# KiCad board Leonhart.kicad_pcb (continued)
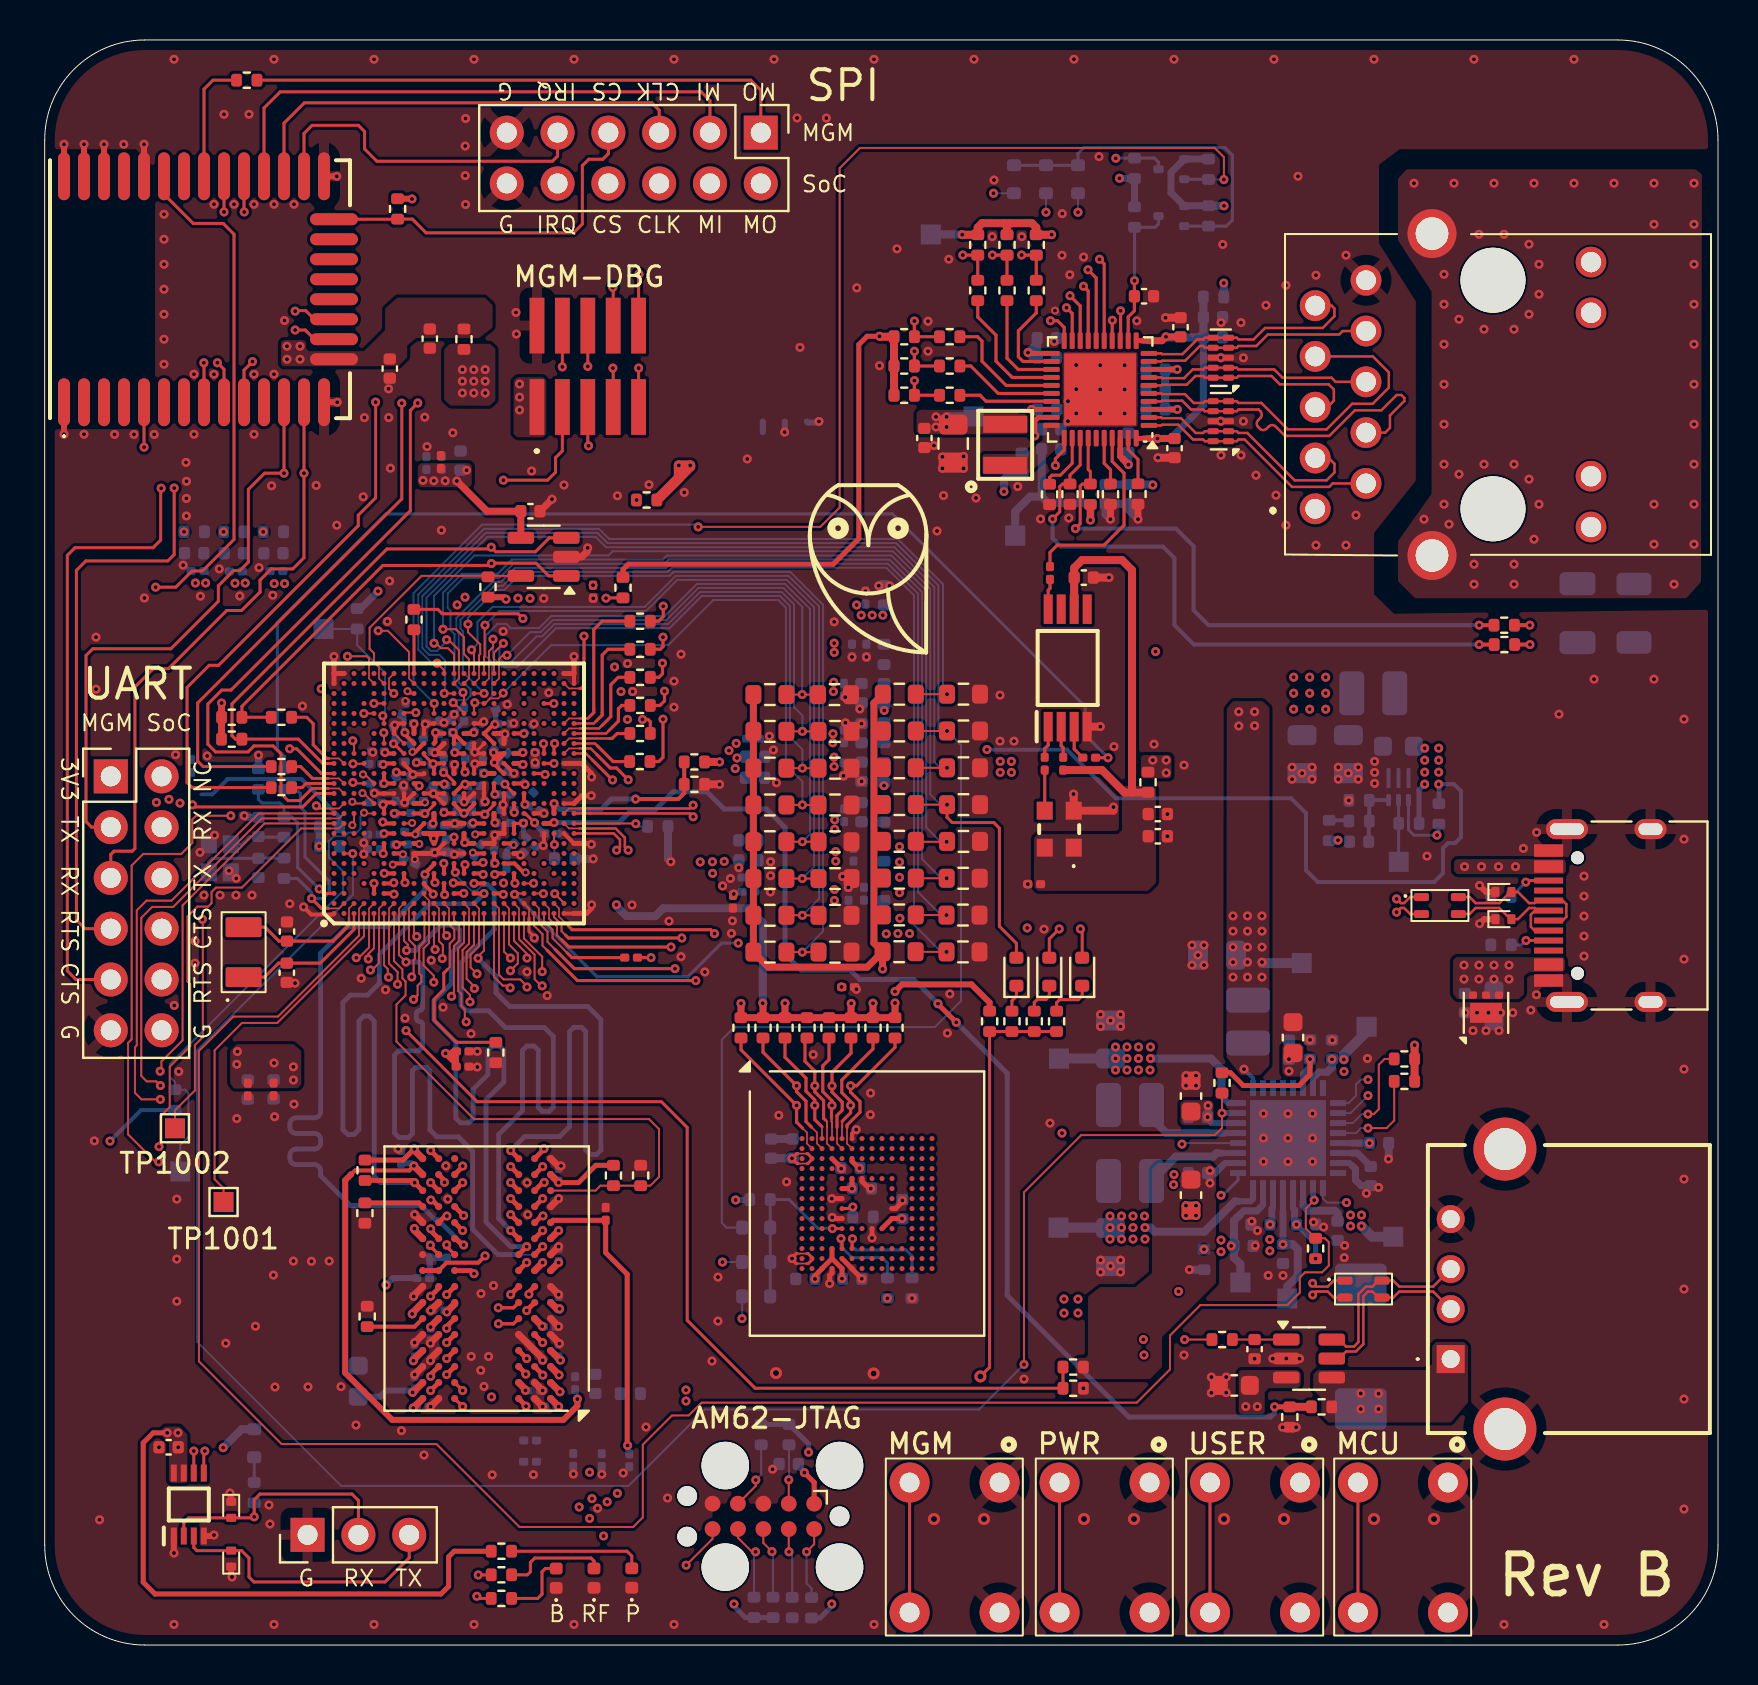
[diagram p0: board, top side]
## Routing (per net, layer and track width the routed paths; a pad name or vN(x,y) marks a point on that pad's centre or on a via; arc(x,y) is an arc through that point) (continued)
/USB and MMC [6]/EMMC_D2: length 39.6
  Top w0.081: U6002.A5 39.86,25.89
  Top w0.1: U1002.AA3 24.92,37.59 v1(24.93,37.58) ; 39.87,25.89 39.87,25.89 39.87,26.19
  Top w0.157: 39.87,26.19 40.29,26.62 v1(40.29,26.98) 40.29,27.19 39.85,27.62 39.85,28.26 41.41,29.81 R6009.2
  In2.Cu w0.099: v1(40.29,26.98) 39.84,27.44 39.84,29.3 37.49,31.65 36.79,31.65 36.49,31.95 36.49,32.27 36.21,32.56 35.4,32.56 33.08,34.87 33.08,36.81 31.38,38.51 31.2,38.51 31.08,38.39 31.08,38.21 32.62,36.67 32.62,36.48 32.5,36.36 32.28,36.36 29.79,38.85 27.49,38.85 27.37,38.73 27.37,38.57 27.49,38.45 29.58,38.45 29.71,38.32 29.71,38.18 29.59,38.05 25.41,38.05 v1(24.93,37.58)
/USB and MMC [6]/EMMC_D3: length 40
  Top w0.081: 37.89,25.84 38.11,25.62 38.11,25.08 U6002.B2
  Top w0.1: v1(24.44,38.09) 24.43,38.09 U1002.Y4
  Top w0.157: R6008.2 34.81,29.77 v1(37.59,26.98) 37.59,26.15 37.89,25.84
  In2.Cu w0.099: v1(37.59,26.98) 37.59,25.21 36.27,23.88 33.51,23.88 33.39,23.76 33.39,23.55 33.52,23.43 35.25,23.43 35.37,23.31 35.37,23.1 35.24,22.98 32.72,22.98 30.59,25.11 30.59,33.74 30.74,33.89 30.74,34.7 28.92,36.53 25.39,36.53 24.44,37.47 v1(24.44,38.09)
/USB and MMC [6]/EMMC_D4: length 38.5
  Top w0.081: 25.21,36.38 25.21,36.84 U1002.AB2 ; 38.34,25.9 38.61,25.62 38.61,25.08 U6002.B3
  Top w0.1: 25.21,36.38 25.21,36.33 25.61,35.93 25.61,35.5 25.83,35.28
  Top w0.157: R6007.2 35.91,29.65 v1(37.59,27.97) 37.59,27.67 38.06,27.2 38.06,26.18 38.34,25.9 ; 25.83,35.28 26.21,34.91 v1(31.31,34.91)
  In2.Cu w0.099: v1(31.31,34.91) 31.08,34.67 31.08,25.55 32.21,24.42 35.24,24.42 35.35,24.53 35.35,24.76 35.25,24.86 33.07,24.86 32.93,24.99 32.93,25.17 33.06,25.29 36.66,25.29 37.09,25.71 37.09,27.46 v1(37.59,27.97)
/USB and MMC [6]/EMMC_D5: length 38.1
  Top w0.081: 39.11,25.89 39.11,25.08 U6002.B4
  Top w0.1: U1002.AC1 25.46,36.4 25.84,36.03 25.84,35.7 26.04,35.5
  Top w0.102: 39.11,25.89 39.11,26.18 39.03,26.26
  Top w0.157: v1(31.85,35.36) 26.18,35.36 26.04,35.5 ; R6006.2 38.01,30.26 38.01,29.19 38.5,28.7 v1(38.5,27.97) 38.5,27.67 38.94,27.23 38.94,26.34 39.03,26.26
  In2.Cu w0.099: v1(31.85,35.36) 32.31,34.9 32.31,34.15 32.09,33.93 32.09,27.29 32.25,27.13 35.86,27.13 36.01,27.28 36.01,27.43 35.87,27.57 32.62,27.57 32.53,27.66 32.53,27.93 32.63,28.02 32.7,28.02 arc(32.81,28.07) 32.86,28.18 32.86,28.18 arc(32.9,28.3) 33.02,28.34 33.1,28.34 arc(33.21,28.3) 33.26,28.18 33.26,28.18 arc(33.3,28.07) 33.42,28.02 33.5,28.02 arc(33.61,28.07) 33.66,28.18 33.66,28.18 arc(33.7,28.3) 33.82,28.34 33.9,28.34 arc(34.01,28.3) 34.06,28.18 34.06,28.18 arc(34.1,28.07) 34.22,28.02 34.3,28.02 arc(34.41,28.07) 34.46,28.18 34.46,28.18 arc(34.5,28.3) 34.62,28.34 34.7,28.34 arc(34.81,28.3) 34.86,28.18 34.86,28.18 arc(34.9,28.07) 35.02,28.02 35.1,28.02 arc(35.21,28.07) 35.26,28.18 35.26,28.18 arc(35.3,28.3) 35.42,28.34 35.5,28.34 arc(35.61,28.3) 35.66,28.18 35.66,28.18 arc(35.7,28.07) 35.82,28.02 36.08,28.02 36.79,28.73 38.21,28.73 38.5,28.44 v1(38.5,27.97)
/USB and MMC [6]/EMMC_D6: length 38.3
  Top w0.081: U6002.B5 39.61,25.08 39.61,25.89
  Top w0.1: U1002.AD2 25.96,37.11 v1(25.5,37.57)
  Top w0.157: 39.61,25.89 39.61,26.48 39.87,26.75 39.87,27.15 39.36,27.66 v1(39.36,27.97) 39.36,28.65 40.31,29.59 R6005.2
  In2.Cu w0.099: v1(39.36,27.97) 39.36,29.14 37.2,31.3 34.51,31.3 34.37,31.44 34.37,31.9 34.24,32.03 34.05,32.03 33.94,31.92 33.94,31.07 34.12,30.89 37.05,30.89 37.18,30.76 37.18,30.58 37.05,30.45 33.7,30.45 33.47,30.68 33.47,33.82 32.66,34.62 32.66,35.3 31.11,36.86 arc(30.99,36.91) 30.88,36.86 30.37,36.35 arc(30.26,36.31) 30.15,36.35 30.09,36.41 arc(30.04,36.52) 30.09,36.64 30.6,37.14 arc(30.64,37.26) 30.6,37.37 30.39,37.57 v1(25.5,37.57)
/USB and MMC [6]/EMMC_D7: length 38.9
  Top w0.081: 26.06,36.08 25.71,36.43 25.71,36.84 U1002.AC2 ; U6002.B6 40.11,25.08 40.11,25.89
  Top w0.1: 26.21,35.93 26.06,36.08
  Top w0.157: v1(33.49,35.58) 33.29,35.77 26.37,35.77 26.21,35.93 ; R6004.2 42.51,29.89 40.59,27.97 v1(40.29,27.97) 40.29,27.65 40.76,27.18 40.76,26.65 40.11,26 40.11,25.89
  In2.Cu w0.099: v1(40.29,27.97) 40.29,29.51 35.11,34.69 34.97,34.69 34.82,34.54 34.82,34.42 35.96,33.28 35.96,33.06 35.84,32.94 35.64,32.94 33.93,34.65 33.93,37.28 32.38,38.83 32.23,38.83 32.06,38.66 32.06,38.5 33.49,37.08 v1(33.49,35.58)
/USB and MMC [6]/EMMC_DS: length 1.1
  Top w0.157: U6002.H5 40.32,21.83 v1(40.4,21.91)
  Bottom w0.118: R6020.2 v1(40.4,21.91)
/USB and MMC [6]/EMMC_RST_N: length 9
  Top w0.15: v1(39.38,20.83) U6002.K5
  Bottom w0.15: v1(39.38,20.83) 39.36,20.84 38.65,20.84 37.22,22.28 36.27,22.28 36.27,17.44
/USB and MMC [6]/EMMC_VDDI: length 3.5
  Top w0.081: 38.11,24.58 37.65,24.58 ; 38.12,24.08 37.67,24.08
  Top w0.15: 37.65,24.58 37.6,24.58 v1(37.36,24.34) 37.62,24.08 37.67,24.08 ; 38.11,24.58 38.14,24.58 38.36,24.36 U6002.C2 38.36,24.29 38.15,24.08 38.12,24.08
  Bottom w0.4: C6009.1 37.35,24.34 v1(37.36,24.34)
/USB and MMC [6]/SoC_EMMC_CLK: length 5.4
  Top w0.1: 26.12,34.62 25.39,35.35 25.39,35.78 24.96,36.2 U1002.AB1
  Top w0.157: 26.12,34.62 26.36,34.38 R6001.1
/USB and MMC [6]/USB0_DN: length 45.5
  Top w0.125: U1002.AE11 27.27,41.59 27.28,41.59 32.26,41.59 v1(32.42,41.42) ; v1(67.59,36.65) 67.8,36.86 67.97,36.86 68.27,36.56 L6001.1
  In2.Cu w0.1: v1(32.42,41.42) 32.6,41.6 33.88,41.6 34.81,42.53 41.06,42.53 41.31,42.28 43.53,42.28 48.94,36.87 67.37,36.87 v1(67.59,36.65)
/USB and MMC [6]/USB0_DP: length 46.1
  Top w0.081: U1002.AD11 26.21,41.84 26.73,41.84
  Top w0.125: L6001.4 68.27,37.41 67.97,37.1 67.8,37.1 v1(67.59,37.31) ; 26.73,41.84 27.27,41.84 27.28,41.83 32.26,41.83 v1(32.42,42)
  In2.Cu w0.1: v1(32.42,42) 32.6,41.82 33.79,41.82 34.71,42.75 41.16,42.75 41.4,42.5 43.62,42.5 49.03,37.09 67.37,37.09 v1(67.59,37.31)
/USB and MMC [6]/USB0_RCALIB: length 3.8
  Top w0.102: v1(29.55,41.07) 29.55,41.08 29.38,41.08 29.37,41.09 U1002.AE10
  Bottom w0.1: 30.14,40.94 29.66,40.94 29.55,41.05 v1(29.55,41.07)
/USB and MMC [6]/USB0_VBUS: length 9
  Top w0.203: R6003.1 R6002.2 31.97,42.6 31.68,42.31 v1(29.54,42.31)
  Top w0.25: v1(25.47,42.08) 25.46,42.08 U1002.AC11
  Bottom w0.25: v1(25.47,42.08) 25.76,41.79 27.81,41.79 28.33,42.31 v1(29.54,42.31)
/USB and MMC [6]/USB1_DN: length 69.4
  Top w0.081: 26.74,40.84 26.21,40.84 U1002.AD10
  Top w0.125: L6002.1 64.45,17.38 64.15,17.68 63.56,17.68 v1(63.4,17.51) ; v1(29.17,39.75) 29.01,39.91 29.01,40.37 28.55,40.83 27.04,40.83 27.04,40.84 26.74,40.84
  In5.Cu w0.1: v1(63.4,17.51) 63.22,17.69 62.47,17.69 62.12,17.34 62.12,16.87 61.6,16.35 56.81,16.35 56.33,15.87 56.33,13.06 55.43,12.16 48.82,12.16 47.51,13.46 47.51,32.16 46.48,33.19 40.55,33.19 38.13,35.61 36.49,35.61 35.48,36.62 31.04,36.62 30.26,37.39 30.26,40.07 29.95,40.39 29.17,40.39 28.99,40.21 28.99,39.93 v1(29.17,39.75)
/USB and MMC [6]/USB1_DP: length 68.7
  Top w0.125: v1(63.4,18.09) 63.56,17.92 64.15,17.92 64.45,18.23 L6002.4 ; v1(28.6,39.75) 28.76,39.91 28.76,40.27 28.45,40.59 27.04,40.59 27.04,40.59 U1002.AE9
  In5.Cu w0.1: v1(28.6,39.75) 28.77,39.93 28.77,40.31 29.08,40.61 30.04,40.61 30.48,40.17 30.48,37.49 31.13,36.84 35.57,36.84 36.58,35.83 38.22,35.83 40.64,33.41 46.57,33.41 47.73,32.25 47.73,13.56 48.91,12.38 55.34,12.38 56.11,13.15 56.11,15.96 56.72,16.57 61.51,16.57 61.9,16.96 61.9,17.43 62.38,17.91 63.22,17.91 v1(63.4,18.09)
/USB and MMC [6]/USB1_DRVVBUS: length 73
  Top w0.1: U1002.F18 16.96,45.55 16.96,45.55 v1(16.96,45.62) ; R6023.1 v1(56.99,15.28)
  In2.Cu w0.1: v1(56.99,15.28) 56.99,15.28 v1(54.93,15.28) ; v1(49.12,35.86) 49.12,36.34 45.88,39.59 45.1,39.59 42.79,41.9 41.29,41.9 40.91,42.28 38.89,42.28 37.91,41.3 36.91,41.3 36.43,40.81 31.56,40.81 31.08,41.29 31.08,43.82 29.51,45.39 29.51,46.98 v1(28.81,47.68)
  In5.Cu w0.081: v1(16.96,45.62) 16.92,45.66 16.92,45.94 17.41,46.44
  In5.Cu w0.1: v1(54.93,15.28) 50.39,15.28 49.12,16.55 v1(49.12,35.86) ; v1(28.81,47.68) 26.72,47.68 25.57,46.53 24.99,46.53 23.37,48.15 19.54,48.15 17.87,46.48 17.45,46.48 17.41,46.44
/USB and MMC [6]/USB1_RCALIB: length 1.3
  Top w0.1: v1(25.48,40.03) 25.48,40.09 25.46,40.11 U1002.AC9
  Bottom w0.102: v1(25.48,40.03) R6018.2
/USB and MMC [6]/USB1_VBUS: length 62.6
  Top w0.25: R6022.2 v1(61.49,11.91) ; v1(44.66,32.07) 44.66,32.05 v1(45.57,31.14) ; U1002.AB10 25.42,41.09 v1(25.46,41.13)
  Top w0.4: R6022.2 R6021.1
  Bottom w0.25: v1(25.46,41.13) 28.71,41.13 29.33,41.74 30.49,41.74 31.42,42.67 33.1,42.67 33.96,41.81 36.08,41.81 37.01,40.88 37.01,34.56 37.82,33.75 40.28,33.75 40.75,33.29 43.45,33.29 v1(44.66,32.07) ; v1(45.57,31.14) 48.12,28.59 48.12,17.48 54.2,11.4 61.28,11.4 61.49,11.61 v1(61.49,11.91)
/USB and MMC [6]/USB_A_DN: length 9.4
  Top w0.125: U6003.5 64.72,14.33 65.07,14.68 65.56,14.68 65.93,15.05 65.93,17.45 66.16,17.68 66.39,17.68 66.69,17.38 67.43,17.38 67.73,17.68 69.42,17.68 J6002.2
/USB and MMC [6]/USB_A_DP: length 9.4
  Top w0.125: J6002.3 69.42,17.92 67.73,17.92 67.43,18.23 66.69,18.23 66.39,17.92 66.06,17.92 65.69,17.55 65.69,15.15 65.46,14.92 65.07,14.92 64.72,15.28 U6003.6
/USB and MMC [6]/USB_A_LS_EN: length 2.7
  Top w0.1: R6023.2 60.49,15.28 60.49,15.28 62.08,15.28 U6003.1
/USB and MMC [6]/USB_A_VBUS:
  vias: v1(65.8,12.58) v1(65.8,11.8) v1(66.69,12.57) v1(66.69,11.8)
/USB and MMC [6]/USB_C_CC1: length 2
  Top w0.15: J6001.A5 v1(74.06,35.23)
  Bottom w0.15: v1(74.06,35.23) 73.84,35.01 R6016.1
/USB and MMC [6]/USB_C_CC2: length 2.2
  Top w0.15: J6001.B5 74.13,38.23 v1(74.05,38.15)
  Bottom w0.15: R6017.1 73.33,37.43 v1(74.05,38.15)
/USB and MMC [6]/USB_C_DN: length 7.7
  Top w0.125: J6001.B7 74.49,35.73 74.31,35.92 74.31,36.52 74.51,36.73 J6001.A7 74.62,36.73 74.49,36.86 74.22,36.86 73.66,36.3 73.28,36.3 72.73,36.86 71.55,36.86 71.25,36.56 L6001.2
/USB and MMC [6]/USB_C_DP: length 7.7
  Top w0.125: L6001.3 71.25,37.41 71.55,37.1 72.73,37.1 73.28,37.66 73.66,37.66 74.22,37.1 74.49,37.1 74.62,37.23 J6001.B6 75.9,37.23 76.08,37.04 76.08,36.42 75.9,36.23 J6001.A6
/Zigbee+Thread [2]/MGM_PTI_DATA: length 26.7
  Top w0.15: U2002.10 29.69,68.54 v1(29.72,68.56) ; 9.96,73.45 9.96,71.68 v1(9.97,71.67)
  In2.Cu w0.15: v1(9.97,71.67) 9.97,69.73 10.4,69.3 29.27,69.3 29.72,68.86 v1(29.72,68.56)
/Zigbee+Thread [2]/MGM_PTI_SYNC: length 31.4
  Top w0.15: v1(29.7,63.86) 29.69,63.86 U2002.9 ; 8.96,73.45 8.96,71.67 v1(8.97,71.67)
  In2.Cu w0.15: v1(29.7,63.86) 29.7,67.77 28.78,68.68 9.5,68.68 8.97,69.21 v1(8.97,71.67)
/Zigbee+Thread [2]/MGM_SPI0_CLK: length 23.1
  Top w0.15: 11.96,73.45 11.96,76.11 12.98,77.12 30.36,77.12 30.72,76.75 J2004.5
/Zigbee+Thread [2]/MGM_SPI0_CS: length 18.4
  Top w0.15: J2004.7 28.18,74.58 27.9,74.3 27.2,74.3 26.88,73.98 26.88,71.06 26.44,70.62 19.07,70.62 18.38,71.31 R2002.2 17.64,71.3 U2001.22
/Zigbee+Thread [2]/MGM_SPI0_IRQ: length 17.5
  Top w0.15: J2004.9 25.64,74.46 25.38,74.2 16.61,74.2 15.99,74.81 15.99,75.69 15.68,76 13.37,76 12.96,75.59 12.96,73.45
/Zigbee+Thread [2]/MGM_SPI0_MISO: length 27.5
  Top w0.15: J2004.1 35.8,77.75 35.3,78.26 R2001.2
/Zigbee+Thread [2]/MGM_SPI0_MISO_R: length 6.2
  Top w0.15: 7.96,73.45 7.96,77.81 8.41,78.26 R2001.1
/Zigbee+Thread [2]/MGM_SPI0_MOSI: length 27.8
  Top w0.15: J2004.3 33.26,77.23 32.82,77.67 11.77,77.67 10.96,76.86 10.96,73.45
/Zigbee+Thread [2]/MGM_SWCLK: length 27.9
  Top w0.15: v1(28.4,67.89) 28.42,67.87 U2002.8 ; v1(7.96,64.12) 7.96,64.12 U2001.8
  In2.Cu w0.15: v1(7.96,64.12) 7.96,67.34 8.68,68.06 28.23,68.06 v1(28.4,67.89)
/Zigbee+Thread [2]/MGM_SWDIO: length 29.8
  Top w0.15: U2002.7 28.42,63.84 v1(28.41,63.86) ; v1(8.63,64.12) 8.96,63.79 U2001.9
  In2.Cu w0.15: v1(28.41,63.86) 28.41,66.54 27.58,67.37 9.09,67.37 8.63,66.91 v1(8.63,64.12)
/Zigbee+Thread [2]/MGM_SWO: length 23.9
  Top w0.15: U2001.10 9.96,63.75 v1(10.39,64.18) ; v1(27.15,63.94) U2002.6
  In2.Cu w0.15: v1(10.39,64.18) 10.78,64.18 10.98,63.97 10.98,63.04 11.15,62.87 16.53,62.87 16.86,63.2 16.86,64.12 17.35,64.61 26.84,64.61 27.17,64.28 27.17,63.96 v1(27.15,63.94)
/Zigbee+Thread [2]/MGM_UART_CTSn: length 47.6
  Top w0.15: J2001.9 1.56,33.28 1.13,33.71 1.13,54.49 1.51,54.88 5.42,54.88 5.8,55.26 5.8,57.82 v1(5.82,57.85) ; U2001.17 13.48,66.3 13.05,66.73 12.55,66.73 v1(12.52,66.7)
  In2.Cu w0.15: v1(12.52,66.7) 9.69,66.7 9.15,66.16 9.15,61.56 8.75,61.17 6.29,61.17 5.91,60.79 5.91,57.98 5.82,57.89 v1(5.82,57.85)
/Zigbee+Thread [2]/MGM_UART_RTSn: length 43.2
  Top w0.15: J2001.7 2.02,35.82 1.59,36.25 1.59,53.74 2.06,54.21 6.15,54.21 6.47,54.53 v1(6.47,57.86) ; v1(12.52,65.76) 13.03,65.76 13.49,65.3 U2001.16
  In2.Cu w0.15: v1(12.52,65.76) 10.11,65.76 9.85,65.5 9.85,60.73 9.16,60.05 6.9,60.05 6.47,59.62 v1(6.47,57.86)
/Zigbee+Thread [2]/MGM_UART_RXD: length 51.4
  Top w0.15: U2002.4 25.88,63.92 v1(25.88,63.92) ; J2001.5 3.3,39.54 3.46,39.7 4.37,39.7 4.51,39.83 4.51,47.91 5.43,48.83 6.19,48.83 9.1,51.73 9.84,51.73 10.77,52.66 10.77,53.25 11.33,53.81 12.4,53.81 12.96,54.37 v1(12.96,58.6) U2001.13
  In2.Cu w0.15: v1(12.96,58.6) 16.62,58.6 16.91,58.31 16.91,57.74 17.29,57.36 23.21,57.36 23.78,57.93 23.78,59.2 24.12,59.54 25.32,59.54 25.88,60.1 v1(25.88,63.92)
/Zigbee+Thread [2]/MGM_UART_TXD: length 51.2
  Top w0.15: U2002.5 27.15,60.01 v1(27.19,59.97) ; J2001.3 2.34,40.9 2.06,41.18 2.06,49.48 2.4,49.82 6.31,49.82 8.68,52.2 8.68,52.97 9.44,53.73 9.76,53.73 10.18,54.16 10.18,57.79 10.99,58.6 v1(11.96,58.6) U2001.12
  In2.Cu w0.15: v1(11.96,58.6) 11.96,57.06 12.28,56.75 26.62,56.75 27.19,57.32 v1(27.19,59.97)
BOOT_LED: length 80.5
  Top w0.1: U1002.J23 18.25,47.59 v2(18.14,47.7)
  Top w0.15: v1(21.61,2.44) 21.71,2.33 R7003.1
  In4.Cu w0.1: v1(13.82,47.82) 14.03,48.03 17.81,48.03 v2(18.14,47.7)
  In5.Cu w0.15: v1(21.61,2.44) 21.5,2.33 3.9,2.33 2,4.23 2,44.63 2.93,45.56 10.86,45.56 11.2,45.9 11.2,47.42 11.6,47.82 v1(13.82,47.82)
CGND:
  vias: v1(68.46,73.1) v1(68.96,56.3) v1(69.96,68.55) v1(69.96,67.05) v1(69.96,65.05) v1(69.96,63.05) v1(69.96,61.05) v1(69.96,59.05) v1(69.96,57.05) v1(70.21,56.05) v1(70.46,73.1) v1(70.71,66.3) v1(70.71,58.55) v1(71.46,54.05) v1(71.46,53.05) v1(71.71,70.55) v1(71.96,65.8) v1(71.96,59.05) v1(72.46,73.1) v1(72.96,70.55) v1(73.46,65.8) v1(73.46,59.05) v1(73.46,54.05) v1(73.46,53.05) v1(74.21,70.05) v1(74.21,66.55) v1(74.21,58.3) v1(74.46,73.1) v1(74.46,55.3) v1(74.71,69.05) v1(74.71,67.55) v1(74.71,57.05) v1(76.46,73.1) v1(78.46,73.1) v1(80.46,73.1) v1(80.46,71.05) v1(80.46,57.05) v1(80.46,55.05) v1(81.46,53.05) v1(82.46,73.1) v1(82.46,71.05) v1(82.46,69.05) v1(82.46,67.05) v1(82.46,65.05) v1(82.46,63.05) v1(82.46,61.05) v1(82.46,59.05) v1(82.46,57.05) v1(82.46,55.05)
DDR_VPP: length 28.6
  Top w0.2: v1(18.46,23.96) 18.23,23.73 15.51,23.73 15.32,23.54 15.31,23.54
  Top w0.3: v1(26.63,12.3) 26.63,11.96 25.93,11.26 17.37,11.26 15.02,13.61 15.02,23.24 15.31,23.53 15.31,23.54
  Top w0.35: v1(25.76,12.66) U4001.B1 ; U4001.R9 18.46,23.96 v1(18.46,23.96)
  Bottom w0.3: v1(18.46,23.96) 18.33,24.09 C4003.1
DDR_VREFCA: length 14.5
  Top w0.25: U4001.M1 25.41,21.24 C4019.1 28.05,19.62 29.12,18.54 29.12,10 v1(29.14,9.98)
EMMC_RSTn: length 80.4
  Top w0.1: U1002.N23 19.98,47.59 v1(19.98,47.59) ; v1(45.11,45.71) R1016.2
  Bottom w0.1: v1(19.98,47.59) 20.01,47.63 20.01,49.24 19.74,49.52 19.22,49.52 18.88,49.86 18.88,52.45 22.05,55.62 27.63,55.62 28.14,55.1 42.57,55.1 44.68,52.99 44.68,45.83 44.81,45.71 v1(45.11,45.71) 45.81,45.01 45.81,32.21 44.5,30.9 34.48,30.9 33.85,30.27 33.85,21.11 34.09,20.88 D6003.1
ETH_CLK: length 9.6
  Top w0.157: U5002.37 53.37,59.19 53.96,58.6 53.96,56 52.96,55 50.62,55 50.26,54.64 R1023.2
ETH_INTn: length 69.5
  Top w0.1: U1002.L21 19.46,47.08 v1(19.47,47.09) ; v1(32.67,55.92) 38.78,55.92 39.75,56.88 39.75,73.85 40.76,74.87 58.5,74.87 58.96,74.41 v1(58.96,73.29)
  Bottom w0.1: R5030.2 58.95,73.29 v1(58.96,73.29) ; v1(32.67,55.92) 32.56,56.03 21.86,56.03 18.44,52.61 18.44,48.12 v1(19.47,47.09)
  Bottom w0.157: R5030.2 58.18,73.3 Q5002.2
ETH_MDC: length 49.9
  Top w0.081: U1002.AD24 26.21,47.84 26.76,47.84
  Top w0.157: U5002.13 53.79,65.25 53.79,66.72 v1(53.79,66.72) ; v1(26.96,50.45) 26.96,47.98 26.82,47.84 26.76,47.84
  In5.Cu w0.099: v1(26.96,50.45) 26.12,51.29 26.12,53.08 29.69,56.65 33.26,56.65 36.51,59.9 36.51,64.55 43.06,71.1 53.01,71.1 53.76,70.35 53.76,66.75 v1(53.79,66.72)
ETH_MDIO: length 47.4
  Top w0.102: 25.46,47.09 v1(25.46,47.08)
  Top w0.157: v1(53.38,66.25) 53.37,66.24 U5002.14 ; R5004.2 28.08,52.37 v1(28.06,52.35) ; U1002.AB22 25.46,47.09
  In5.Cu w0.099: v1(53.38,66.25) 53.31,66.32 53.31,69.5 52.86,69.95 43.61,69.95 38.21,64.55 38.21,60.79 37.13,59.7 37.13,59.41 30.79,53.07 30.79,52.57 30.58,52.35 v1(28.06,52.35) 27.46,51.75 27.46,49.09 v1(25.46,47.08)
ETH_RSTn: length 71.1
  Top w0.1: v1(45.11,47.55) R1017.2 ; U1002.M25 19.96,48.75 v1(19.61,49.1)
  In2.Cu w0.1: v1(51.66,71.65) 51.66,71.52 53.26,69.92 53.26,67.92 51.06,65.71 49.61,65.71 46.11,62.21 46.11,60.49 45.42,59.8 45.42,55.41 44.33,54.32 44.33,48.34 v1(45.11,47.55)
  Bottom w0.1: v1(45.11,47.55) 44.91,47.75 44.91,53.05 42.65,55.31 28.22,55.31 27.71,55.82 21.97,55.82 18.68,52.53 18.68,49.77 19.35,49.1 v1(19.61,49.1) ; D5001.1 v1(51.66,71.65)
EXTINTn: length 78.3
  Top w0.1: U1002.D16 15.95,44.07 v1(15.41,44.07) ; R3004.2 66.99,29.31 66.7,29.02 66.7,26.8 66.45,26.55 v1(66.16,26.55)
  In2.Cu w0.1: v1(21.01,52.4) 22.31,52.4 23.81,50.9 23.81,48.04 27.93,43.92 27.93,40.98 28.45,40.46 29.49,40.46 30.13,39.83 37.5,39.83 37.61,39.72 38.25,39.72 38.94,40.4 41.24,40.4 41.34,40.5 42.7,40.5 44.56,38.63 44.56,38.3 48.64,34.22 52.84,34.22 59.46,27.6 65.11,27.6 v1(66.16,26.55)
  In5.Cu w0.1: v1(21.01,52.4) 19.1,52.4 14.88,48.18 14.88,44.66 15.41,44.13 v1(15.41,44.07)
  Bottom w0.1: v1(66.16,26.55) 65.85,26.55 65.4,26.1 U3001.11
I2C0_SCL: length 83.9
  Top w0.15: U1004.1 25.2,53.47 24.56,54.1 22.35,54.1 v1(22.33,54.09) 22.24,53.99 16.91,53.99 9.86,46.94 9.86,46.4 11.33,46.4
  In2.Cu w0.15: v1(66.16,27.48) 65.74,27.9 59.64,27.9 52.73,34.81 48.54,34.81 47.86,35.5 47.86,36.45 45.41,38.9 44.79,38.9 42.49,41.2 41.04,41.2 40.52,41.73 39.23,41.73 38.09,40.59 37.36,40.59 36.88,40.11 31.23,40.11 30.23,41.11 30.23,43.3 29.47,44.06 28.37,44.06 26.13,46.31 26.13,47.41 24.6,48.93 24.6,51.24 23.66,52.18 v1(23.66,52.35)
  In5.Cu w0.15: v1(22.33,54.09) 22.72,54.09 23.66,53.14 v1(23.66,52.35)
  Bottom w0.1: U3001.10 65.29,26.6 v1(66.16,27.48)
I2C0_SDA: length 90.7
  Top w0.15: U1002.A16 13.9,44.09 12.68,45.3 9.53,45.3 9.36,45.47 9.36,47.07 17.11,54.81 22.23,54.81 v1(22.32,54.9) 22.55,54.67 24.54,54.67 25.23,55.37 U1004.3
  In2.Cu w0.15: v1(66.16,28.28) 59.78,28.28 52.85,35.2 48.71,35.2 48.31,35.6 48.31,36.6 45.7,39.21 45.04,39.21 42.65,41.6 41.14,41.6 40.74,42 39.06,42 37.96,40.9 37.09,40.9 36.63,40.44 31.41,40.44 30.58,41.27 30.58,43.44 29.59,44.43 28.54,44.43 26.48,46.49 26.48,47.54 24.95,49.07 24.95,51.46 24.26,52.15 v1(24.26,52.34)
  In5.Cu w0.15: v1(22.32,54.9) 22.76,54.9 24.26,53.4 v1(24.26,52.34)
  Bottom w0.1: 66.15,28.22 66.16,28.23 v1(66.16,28.28) 65.81,28.28 65.56,28.03 65.56,27.48 65.19,27.1 U3001.9
MCU_PORz: length 122.9
  Top w0.081: U1002.D2 15.71,36.84 15.71,36.4
  Top w0.1: 15.71,36.4 15.71,35.48 11.66,31.43 9.43,31.43 7.71,29.71 7.71,14.18 11.84,10.05 19.59,10.05 23.74,5.9 29.42,5.9 29.9,6.38 29.9,10.02 31.36,11.48 32.2,11.48 32.84,12.12 54.6,12.12 56.26,13.78 56.26,15.48 57.78,17 62.13,17 62.75,17.62 62.75,18.38 63.01,18.64 63.87,18.64 64.21,18.98 64.21,20.14 64.01,20.34 R3003.2 63.05,20.83 63.05,21.82 63.41,22.18 63.41,22.19 v1(63.47,22.25)
  Top w0.15: SW7002.3 SW7002.4
  In2.Cu w0.1: SW7002.3 65.66,9.82 64.46,11.02 64.46,21.26 v1(63.47,22.25)
  Bottom w0.1: v1(63.47,22.25) 63.41,22.31 U3001.18
MGM_PB01: length 87.6
  Top w0.15: U2001.5 4.96,59.9 v1(4.97,59.9) ; v1(21.68,3.5) 22.32,3.5 R7002.1
  In5.Cu w0.15: v1(21.68,3.5) 22.09,3.5 22.4,3.19 22.4,2.19 22.15,1.93 3.62,1.93 1.39,4.17 1.39,51.16 2.1,51.88 5.87,51.88 6.2,52.21 6.2,53.49 5.96,53.73 5.36,53.73 4.97,54.12 v1(4.97,59.9)
MGM_RESETn: length 174.7
  Top w0.15: v1(23.91,51.34) 23.67,51.57 19.88,51.57 19.66,51.79 R1048.1 ; SW7004.3 SW7004.4 ; 5.96,73.45 5.96,72.55 7.42,71.09 8.92,71.09 9.46,70.55 9.46,55.29 7.89,53.71 7.36,53.71 6.55,52.9 v1(5.54,52.9) ; v1(22.93,58.25) 25.14,58.25 25.54,58.65 25.54,59.38 25.88,59.72 U2002.3
  In2.Cu w0.15: v1(5.54,52.9) 6.47,52.9 7.86,54.29 7.86,58.77 8.51,59.42 22.76,59.42 22.93,59.25 v1(22.93,58.25)
  In5.Cu w0.15: v1(5.54,52.9) 1.74,52.9 0.71,51.87 0.71,4.2 3.37,1.54 43.16,1.54 SW7004.4 ; v1(22.93,58.25) 22.91,58.23 22.91,56.83 23.1,56.64 25.32,56.64 25.54,56.42 25.54,51.9 24.98,51.34 v1(23.91,51.34)
PMIC_LPM_EN0: length 97.3
  Top w0.1: 58.86,27.6 v1(58.86,26.6) 58.86,25.86 58.5,25.5 51.82,25.5 48.96,22.64 v1(48.96,14.03) ; v1(15.4,39.58) 15.03,39.58 15.03,39.59 U1002.B7
  Bottom w0.1: v1(48.96,14.03) 46.71,11.78 33.01,11.78 29.19,7.96 14.82,7.96 7.61,15.17 7.61,29.73 15.41,37.53 15.41,39.57 v1(15.4,39.58)
  Bottom w0.3: v1(58.86,26.6) U3001.31
PORz_OUT: length 147
  Top w0.1: U1002.E21 v1(15.96,46.59)
  In2.Cu w0.1: v1(34.86,16.33) 35.34,15.85 43.81,15.85 44.26,16.3 44.26,22.08 47.79,25.6 v1(50.86,25.6)
  In5.Cu w0.1: v1(15.96,46.58) 15.96,47.37 16.26,47.66 16.26,48.9 18.99,51.64 20.79,51.64 21.46,52.31 21.46,52.58 20.83,53.21 20.83,57.76 24.44,61.37 24.44,64.81 25.88,66.25 35.43,66.25 41.79,72.6 v1(47.44,72.6) 52.51,72.6 58.27,66.84 58.27,37.55 50.68,29.96 50.68,27.01 52.06,25.63 55.98,25.63 56.15,25.46 57.11,25.46 57.42,25.15 57.42,24.82 57.12,24.53 56.26,24.53 55.84,24.95 51.51,24.95 v1(50.86,25.6)
  Bottom w0.1: D6005.1 34.87,16.34 v1(34.86,16.33) ; D5002.1 v1(47.44,72.6)
PWR_BTN: length 26.4
  Top w0.15: SW7001.3 SW7001.4
  In2.Cu w0.15: SW7001.3 54.04,11.43 54.04,17.02 56.81,19.79 v1(57.96,19.79)
  In5.Cu w0.15: v1(57.96,19.79) 57.96,20.61 58.81,21.46 v1(58.81,22.49)
  Bottom w0.15: U3001.25 59.66,23.25 58.9,22.49 v1(58.81,22.49)
RESETSTATz: length 150.3
  Top w0.1: v1(16.46,47.09) 16.46,47.09 U1002.F22
  In2.Cu w0.1: v1(33.89,19.15) 34.07,18.97 34.07,15.62 34.49,15.2 43.99,15.2 44.66,15.88 44.66,21.75 47.96,25.05 v1(56.86,25.05)
  In5.Cu w0.1: v1(16.46,47.09) 16.46,48.82 18.82,51.18 20.72,51.18 21.84,52.31 21.84,52.74 21.18,53.4 21.18,57.6 24.94,61.36 24.94,64.64 26.15,65.84 35.76,65.84 41.56,71.65 v1(50.06,71.65) 50.44,72.03 52.37,72.03 57.77,66.63 57.77,37.67 50.39,30.28 50.39,26.72 51.78,25.33 55.81,25.33 56.09,25.05 v1(56.86,25.05)
  Bottom w0.1: v1(56.86,25.05) 56.91,25.1 U3001.28 ; D6004.1 33.89,19.16 v1(33.89,19.15) ; v1(50.06,71.65) D5003.1
SD_VOLT_SEL: length 76.2
  Top w0.1: v1(15.4,45.22) 15.46,45.16 U1002.C17 ; R3006.2 67.47,26.23 67.09,25.85 v1(66.16,25.85)
  In2.Cu w0.1: v1(20.62,52.02) 20.63,52.02 22.29,52.02 23.61,50.7 23.61,47.95 27.72,43.84 27.72,40.9 28.38,40.25 29.42,40.25 30.06,39.6 37.45,39.6 37.55,39.5 38.43,39.5 39.11,40.18 41.14,40.18 41.78,39.54 42.92,39.54 48.49,33.97 52.76,33.97 59.36,27.38 64.64,27.38 v1(66.16,25.85)
  In5.Cu w0.1: v1(15.4,45.22) 15.4,45.37 15.08,45.69 15.08,48.1 19,52.02 20.62,52.02 v1(20.62,52.02)
  Bottom w0.1: U3001.12 65.56,25.6 65.81,25.85 v1(66.16,25.85)
SPI0_CLK: length 51.7
  Top w0.15: R1049.2 7.37,42.88 7.12,43.13 7.12,47.89 8.22,48.99 8.69,48.99 15.68,55.98 15.68,56.5 16.55,57.37 v1(16.55,62.15)
  In5.Cu w0.15: v1(16.55,62.15) 16.55,69.81 17.6,70.86 30.13,70.86 30.72,71.45 J2004.6
SPI0_CS: length 61.7
  Top w0.15: U1002.A13 13.57,42.59 12.9,41.91 7.49,41.91 v1(7.39,42.02)
  In2.Cu w0.15: J2004.8 28.18,71.94 28.76,71.36 31.12,71.36 31.58,70.91 31.58,62.8 30.89,62.11 29.66,62.11 29.1,61.55 29.1,56.2 28.32,55.42 21.9,55.42 20.97,54.49 14.77,54.49 13.92,53.64 13.92,49.03 14.43,48.52 14.43,45.82 12.64,44.03 9.39,44.03 v1(7.39,42.02)
SPI0_IRQ: length 51
  Top w0.15: v1(12.25,44.82) 12.6,44.82 13.83,43.59 U1002.A15
  In2.Cu w0.15: J2004.10 25.64,71.04 26.2,70.48 29.83,70.48 30.48,69.83 30.48,63.41 30.02,62.94 28.48,62.94 28.02,62.48 28.02,56.52 27.4,55.9 21.13,55.9 20.3,55.08 13.97,55.08 13.34,54.46 13.34,45.92 v1(12.25,44.82)
SPI0_MISO: length 58.6
  Top w0.081: U1002.B13 14.71,42.84 14.16,42.84
  Top w0.15: v1(18.65,62.11) 18.28,61.74 18.28,56.73 9.31,47.76 8.86,47.76 8.16,47.06 8.16,45.05 8.54,44.66 10.16,44.66 10.46,44.96 11.42,44.96 11.82,44.56 11.82,42.58 12.17,42.23 12.76,42.23 13.36,42.84 14.16,42.84
  In5.Cu w0.15: J2004.2 35.8,70.25 34.91,69.36 19.38,69.36 18.65,68.63 v1(18.65,62.11)
SPI0_MOSI: length 51.3
  Top w0.15: v1(17.85,62.1) 17.85,62.1 17.85,57.32 7.65,47.11 7.65,44.2 7.92,43.93 R1051.2
  In5.Cu w0.15: J2004.4 33.26,71.09 32.22,70.04 18.52,70.04 17.85,69.38 v1(17.85,62.1)
UART5_CTSn: length 33.9
  Top w0.081: 18.21,48.91 18.21,48.34 U1002.J24
  Top w0.1: 18.21,48.91 18.21,49.66 17.15,50.72 v1(16.67,50.72)
  In5.Cu w0.152: J2001.8 4.8,35.82 4.59,36.04 4.59,44.73 4.92,45.06 6.76,45.06 7.1,44.72 7.1,44.18 7.45,43.83 12.9,43.83 13.13,43.6 13.75,43.6 14.28,44.13 14.28,48.53 13.99,48.82 13.99,50.4 14.31,50.72 v1(16.67,50.72)
